# Altium PCB base-board_2.PcbDoc (part 1 of 3)
Units mil, origin at the board's own origin, x right, y up, seen from the top; angles counter-clockwise.
Board outline 3247.64 x 2805.12 mil, 4 copper layers (1 Top Layer, 2 Signal Layer, 3 GND Layer, 4 Bottom Layer), stack 61.811 mil thick; 193 components, 154 nets, 686 pads, 247 vias.
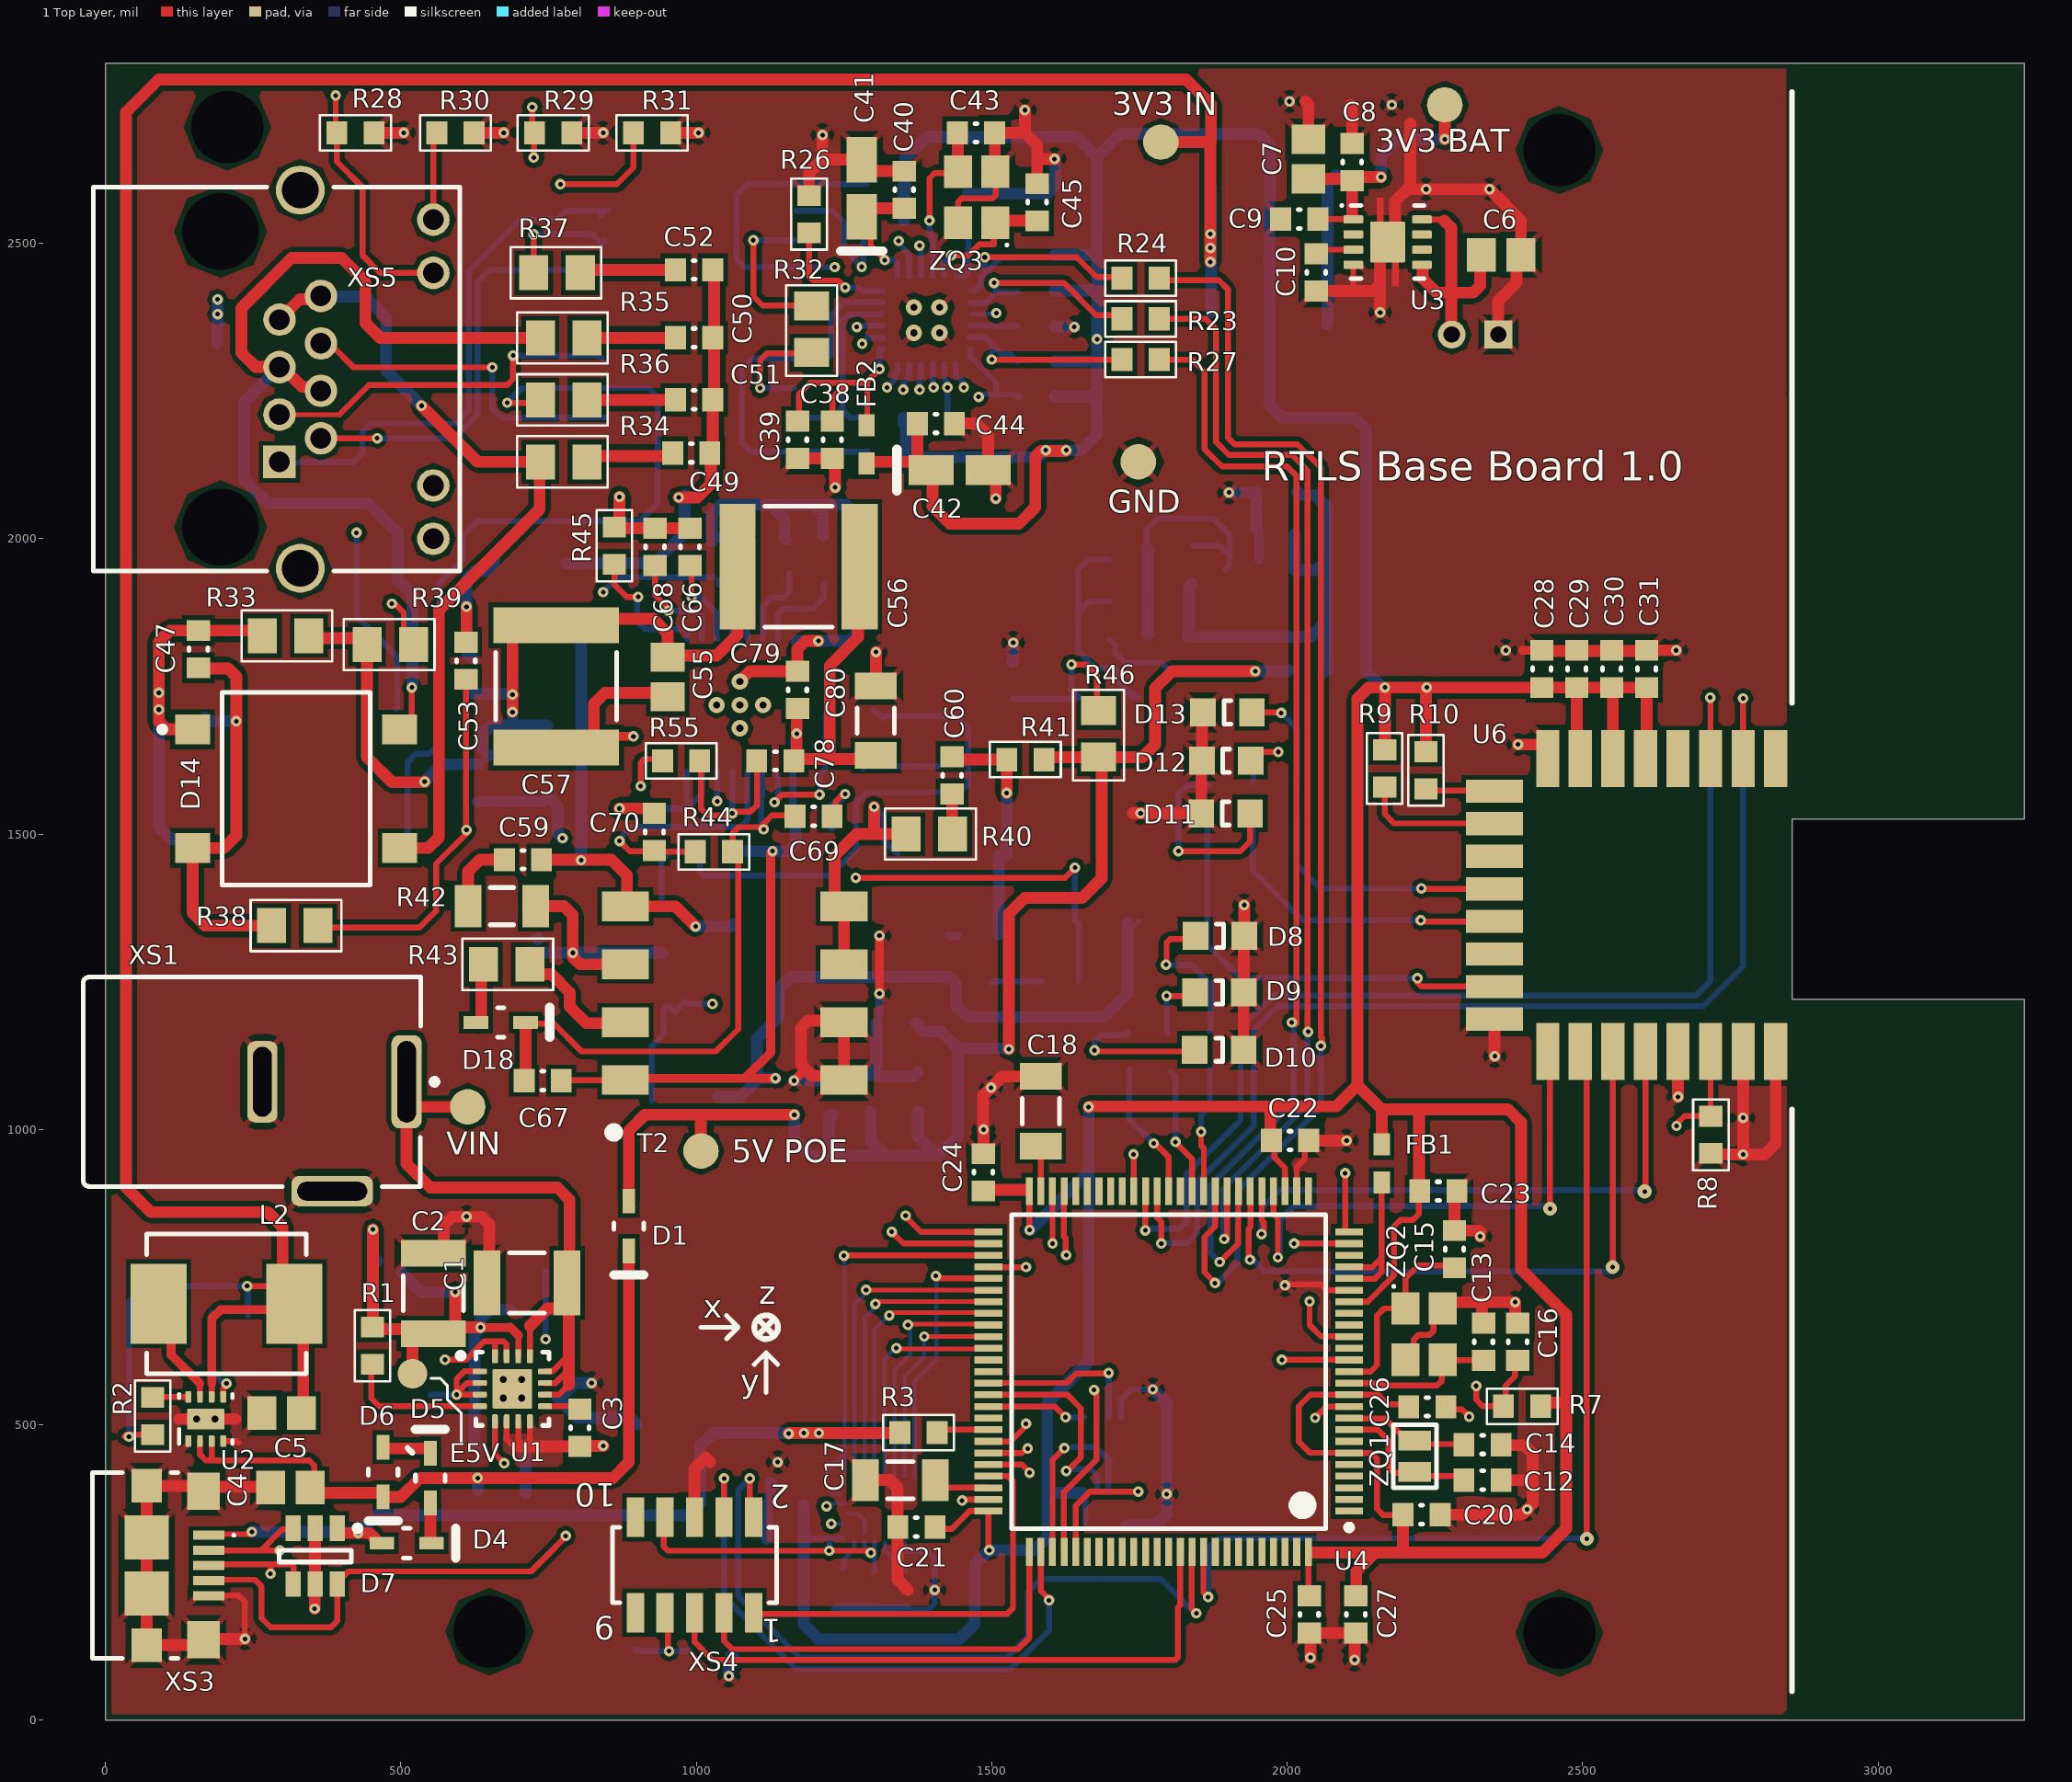
[diagram p0: 1 Top Layer view]
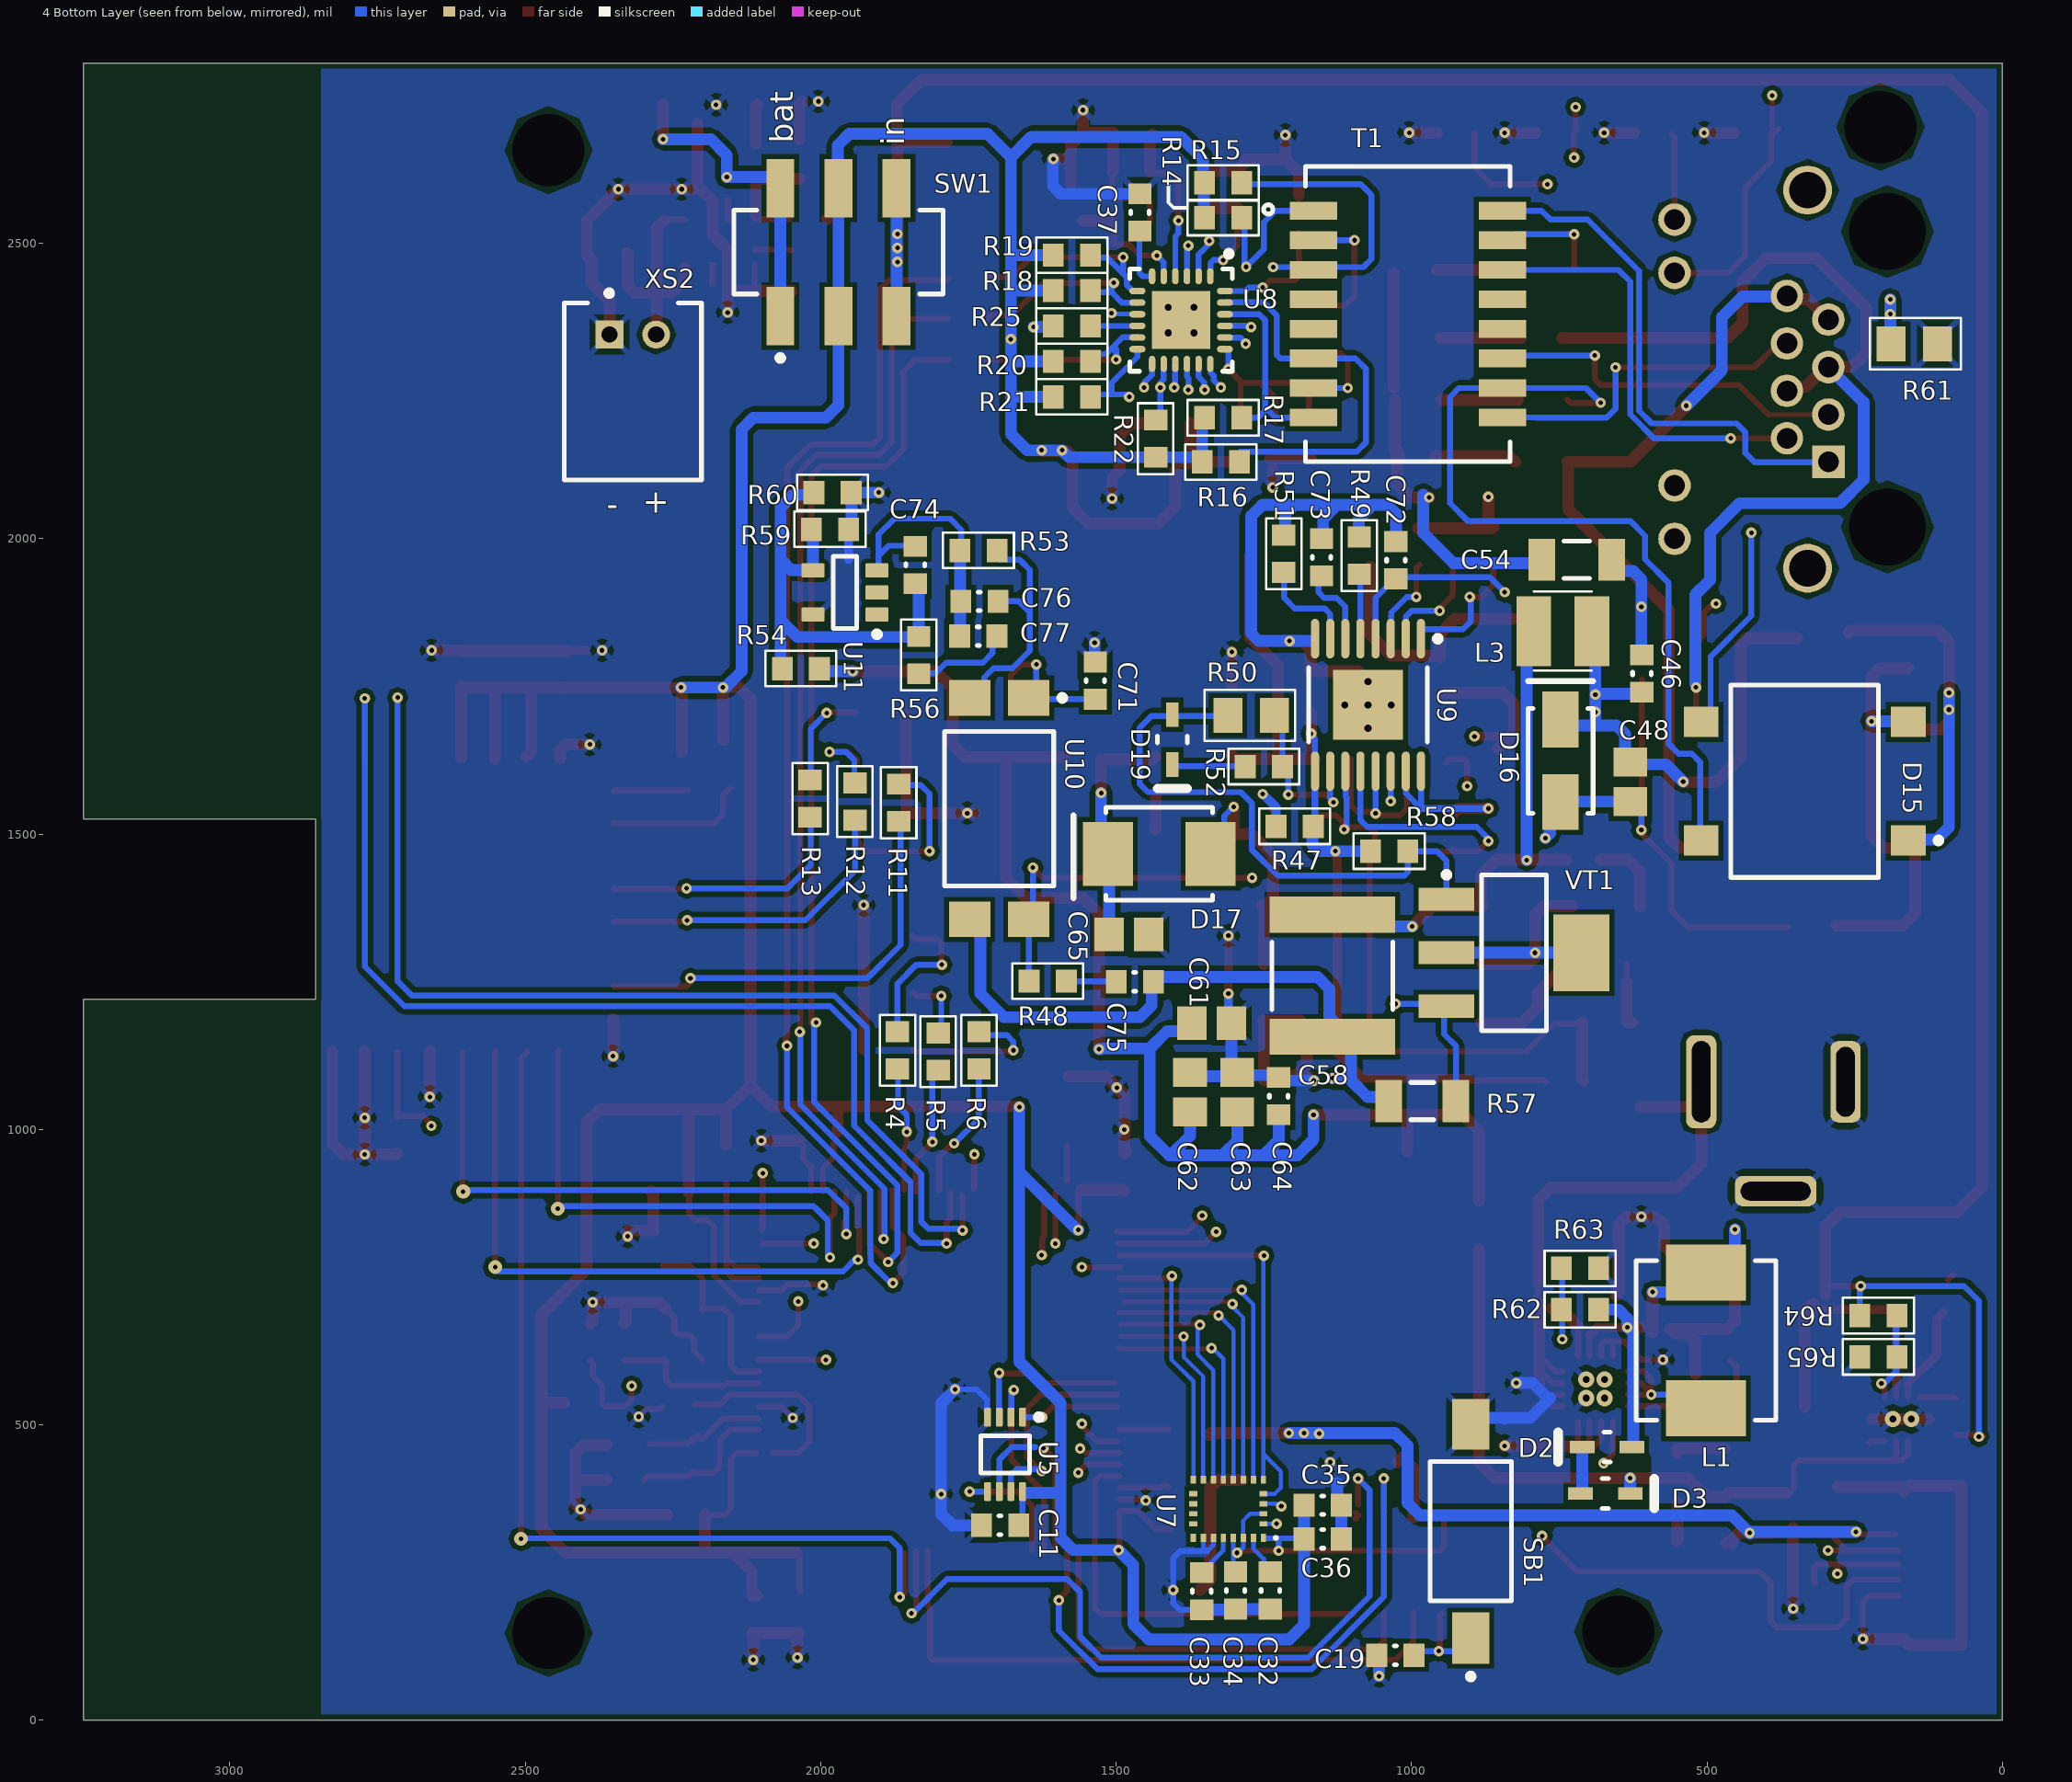
[diagram p1: 4 Bottom Layer view, seen from below]
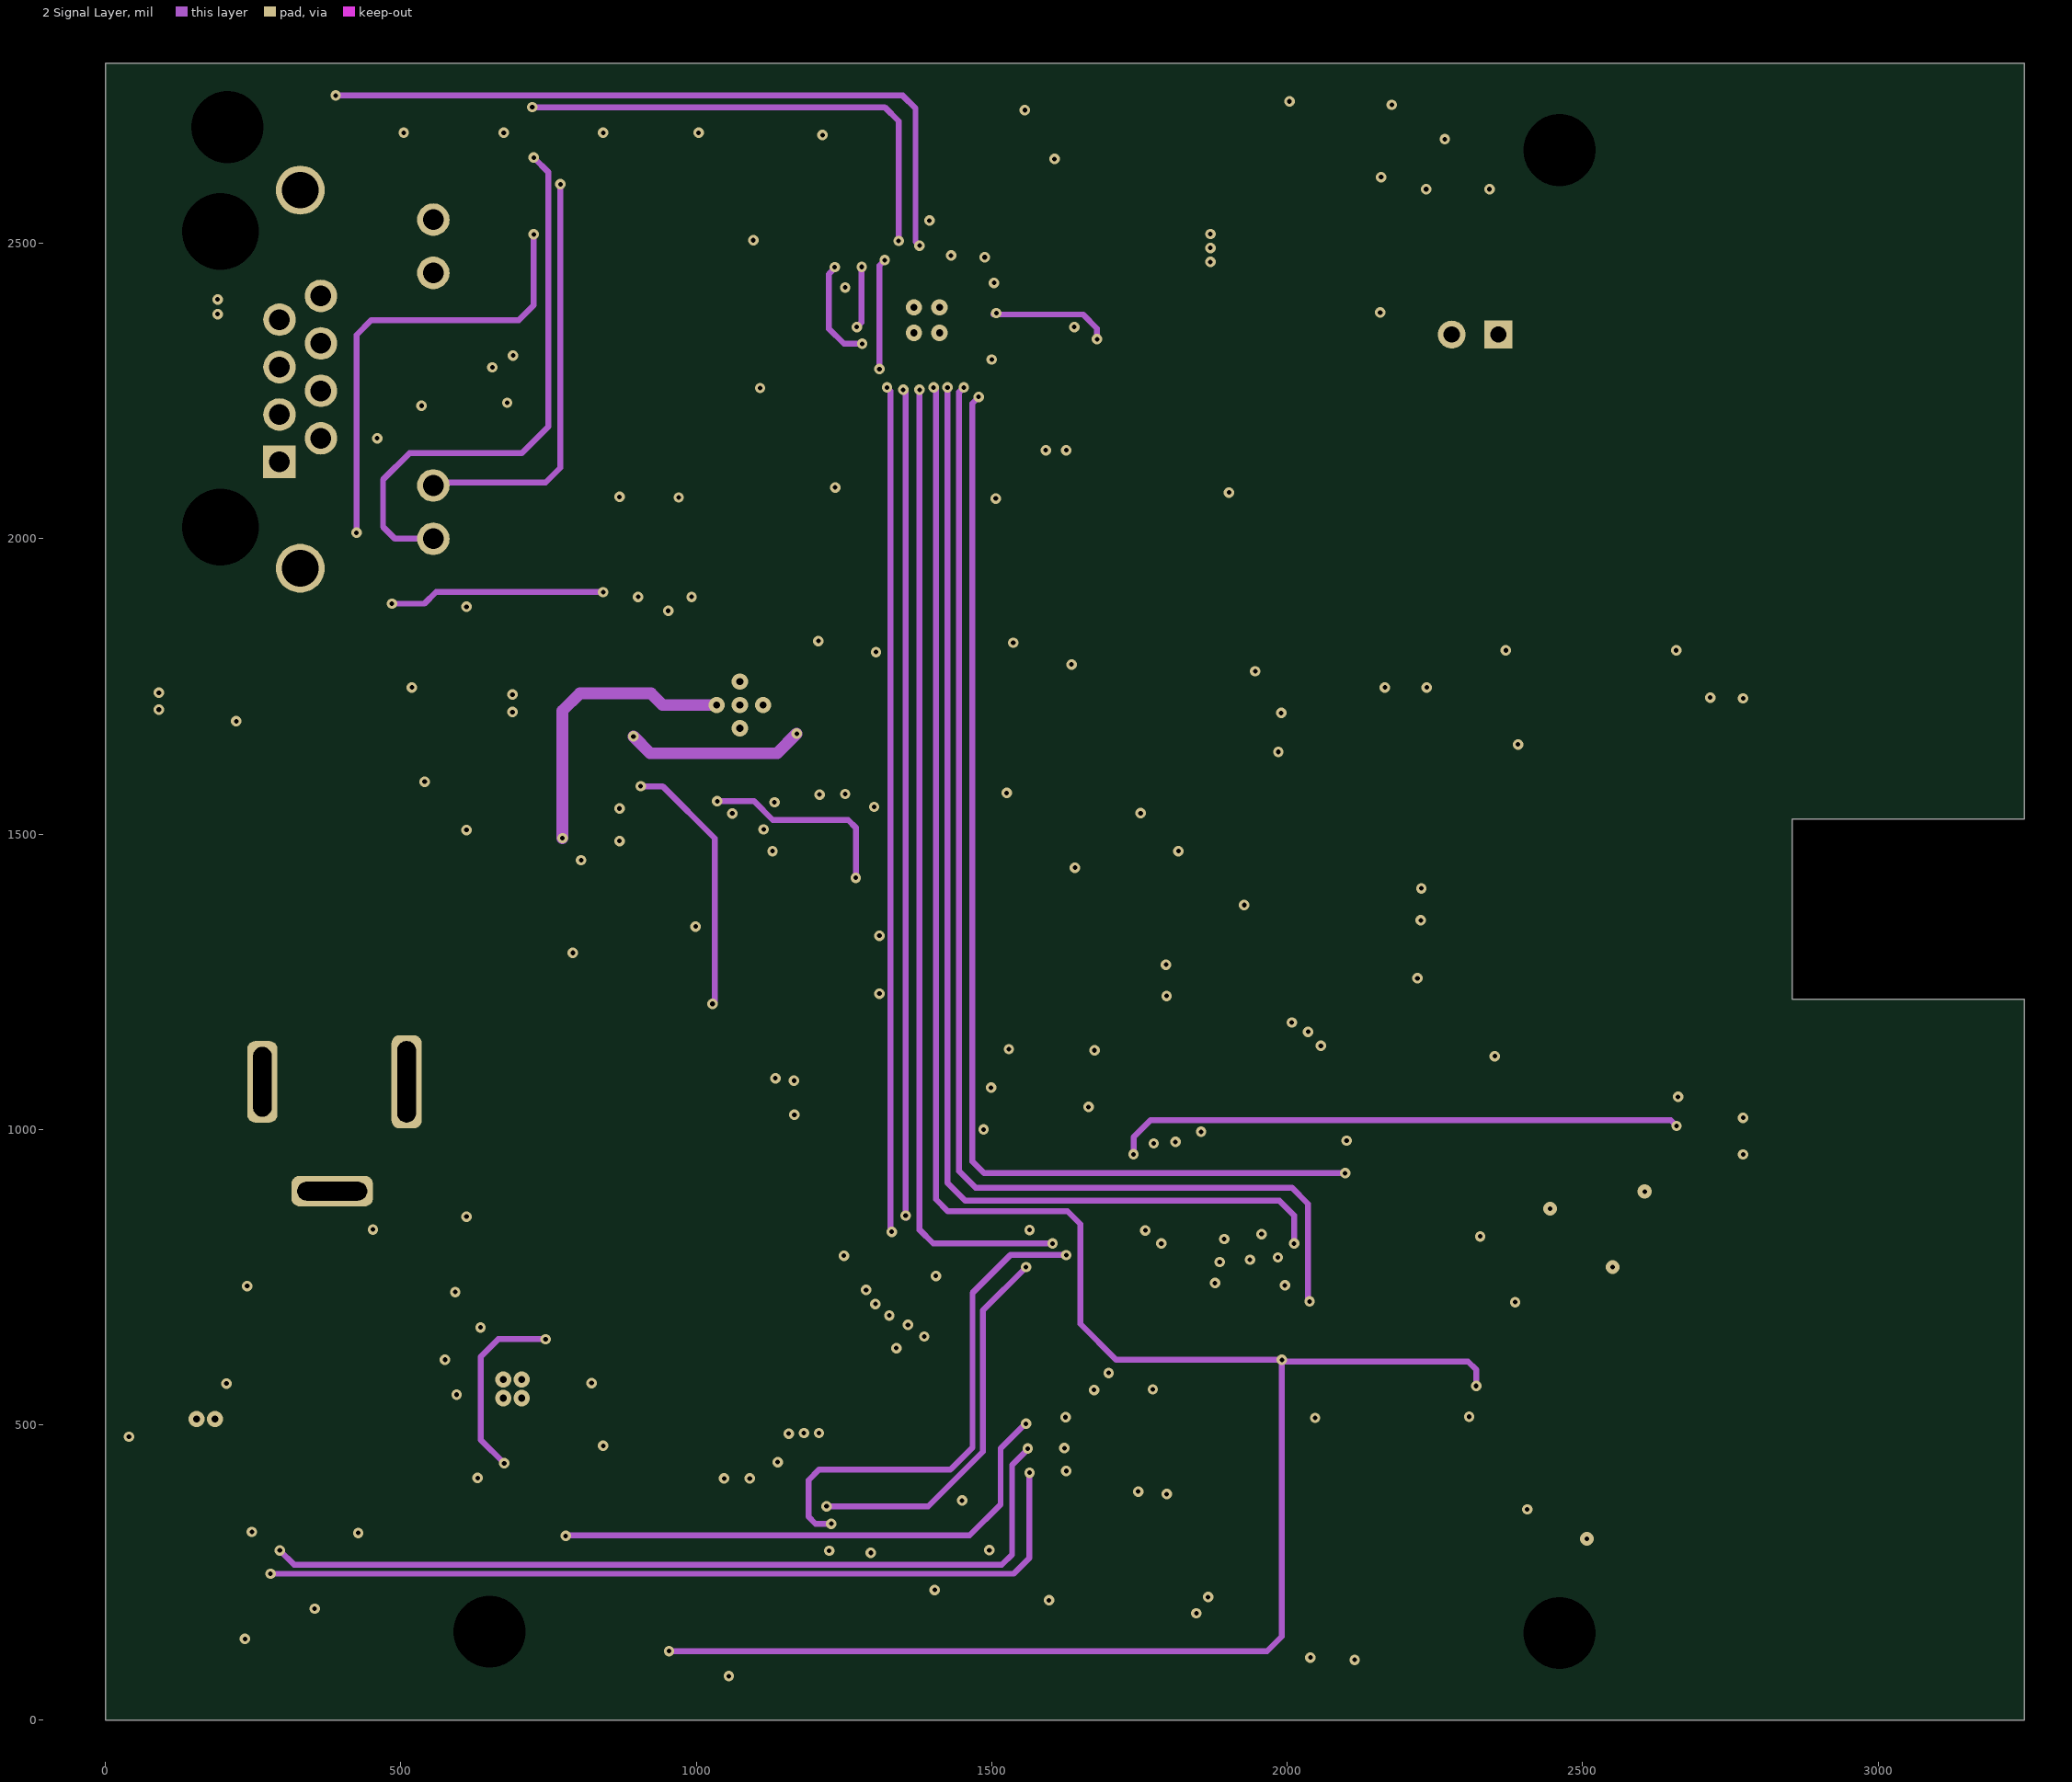
[diagram p2: 2 Signal Layer]
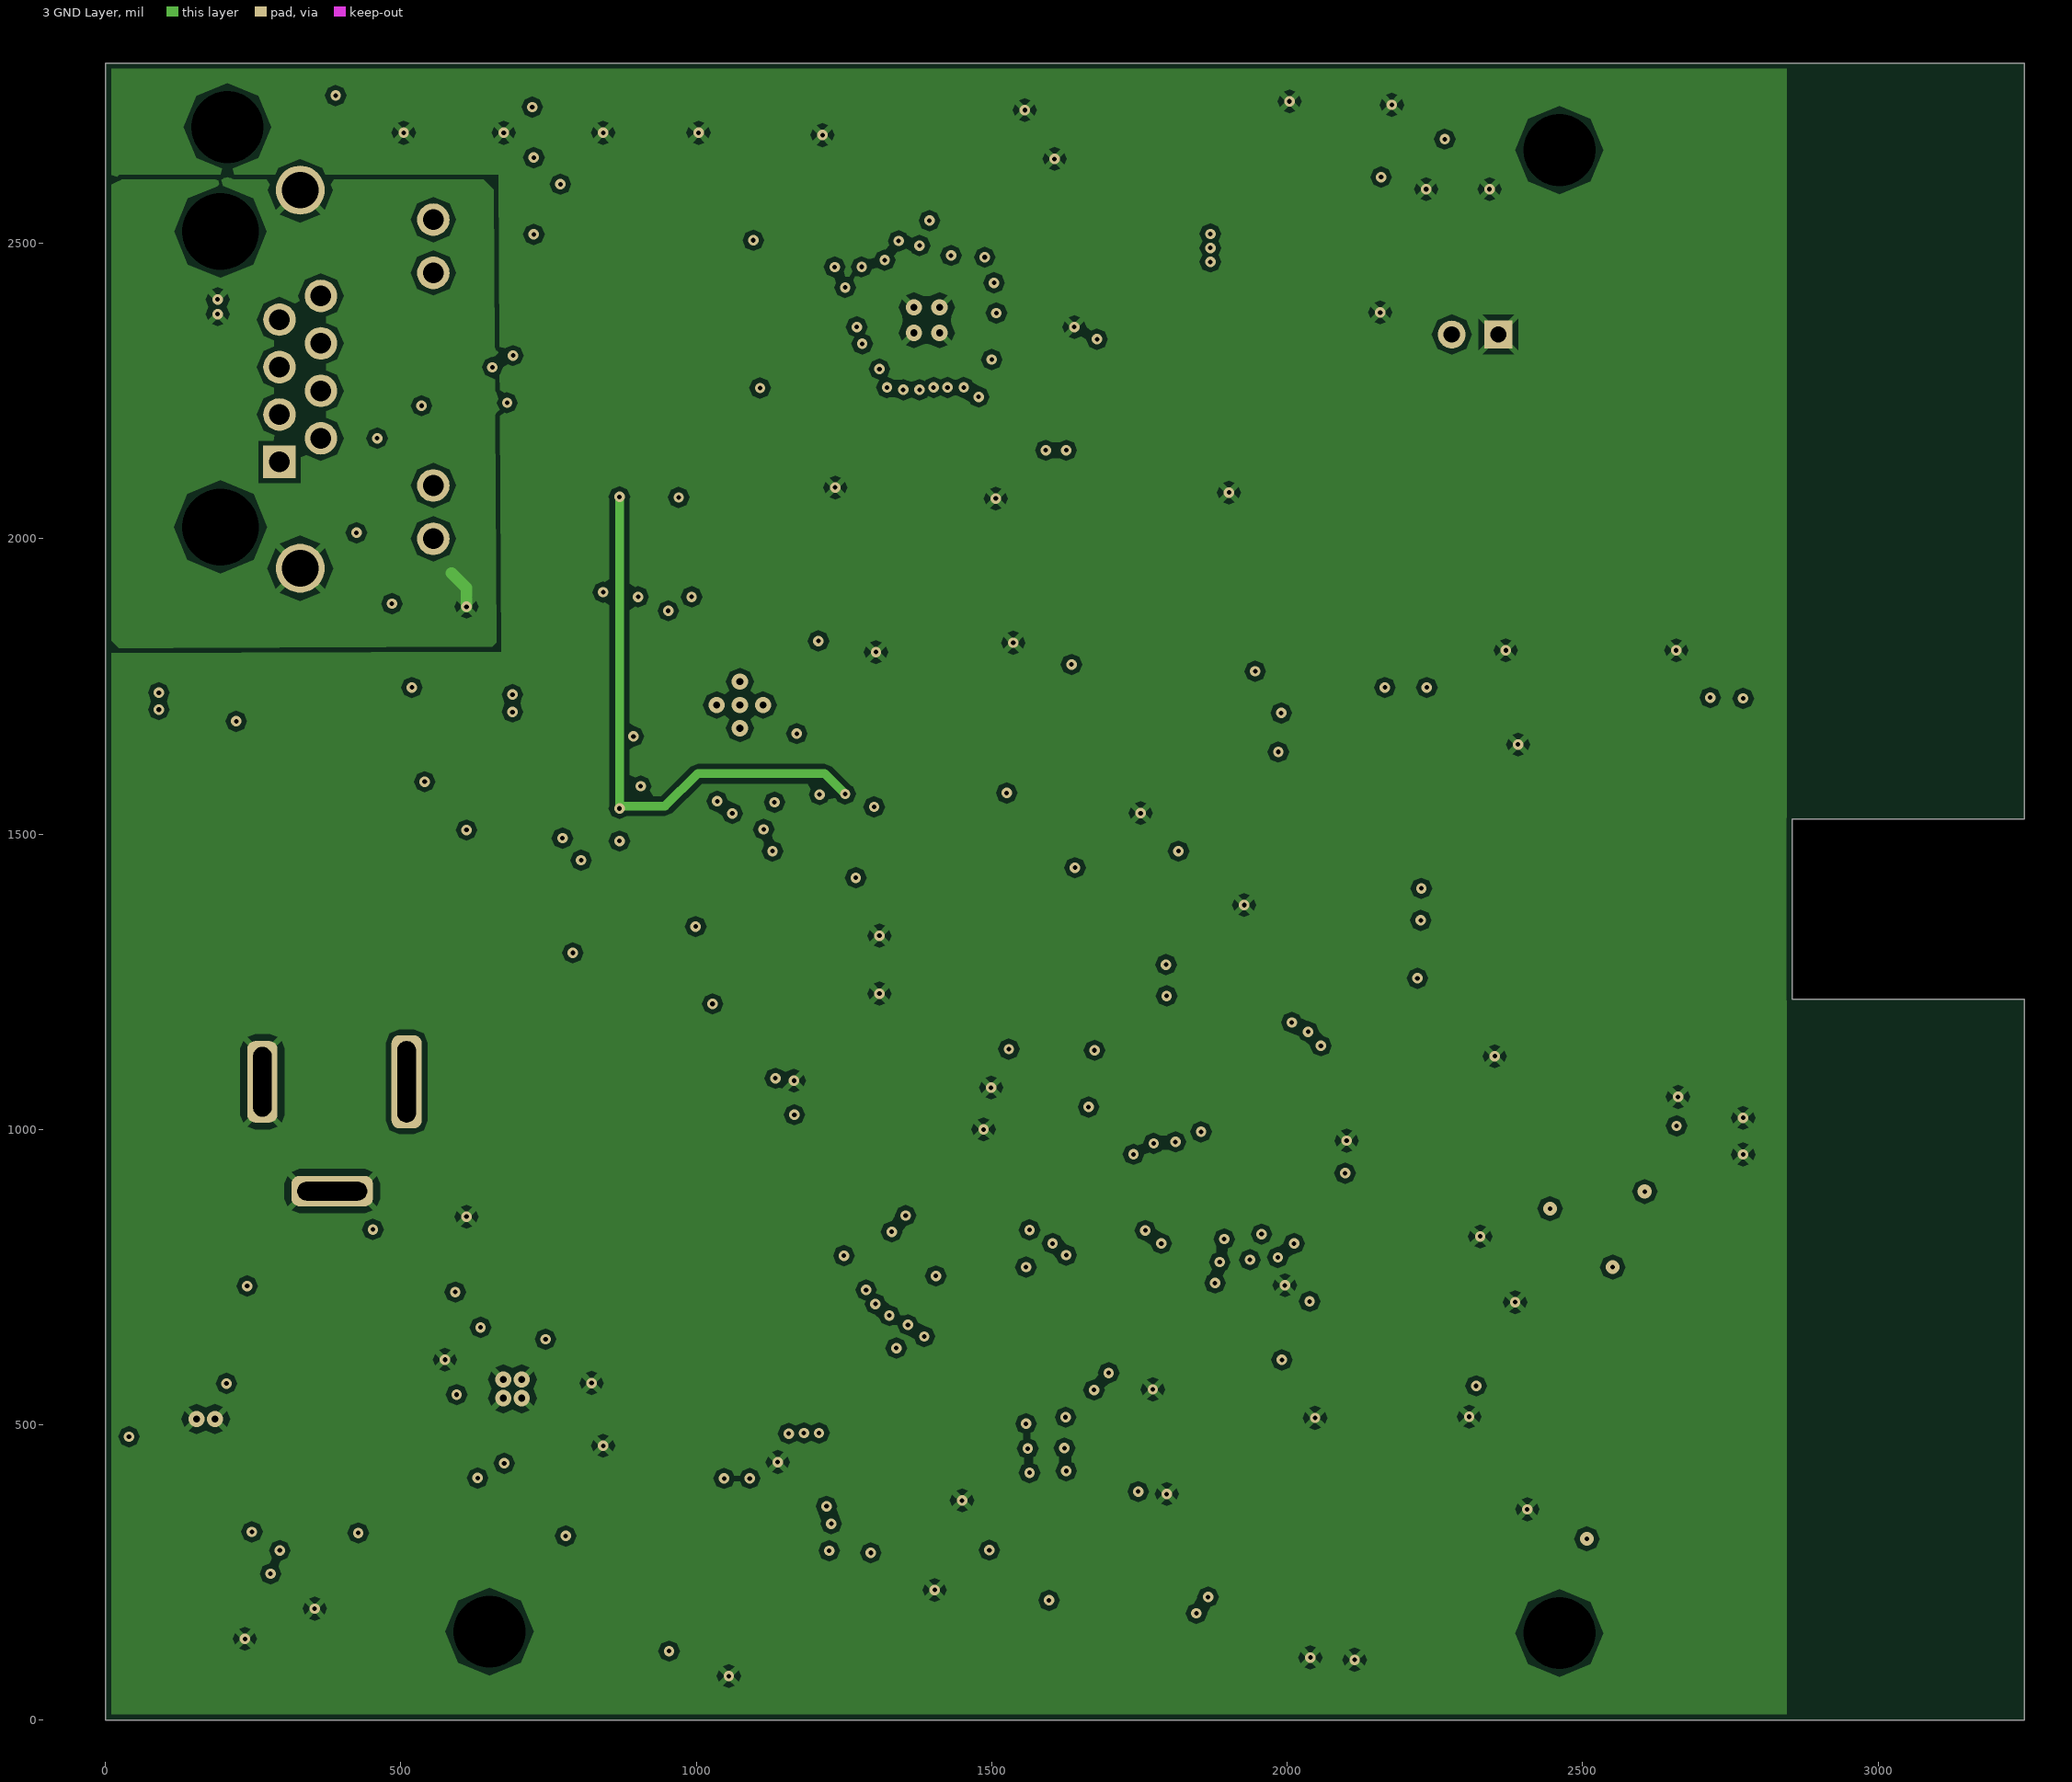
[diagram p3: 3 GND Layer]

## Layer stack, top to bottom
Top Solder: solder mask 0.5906, Solder Resist, Dk 3.8
1 Top Layer: signal copper 1.3779
Dielectric 1: prepreg 3.937, 2313, Dk 4.05
2 Signal Layer: signal copper 0.6889
Dielectric 3: core 49.803, FR-4, Dk 4.2
3 GND Layer: signal copper 0.6889
Dielectric 2: prepreg 3.937, 2313, Dk 4.05
4 Bottom Layer: signal copper 1.3779
Bottom Solder: solder mask 0.591, Solder Resist, Dk 3.8

## Board outline
0.39,0 0.39,2805.12 3248.03,2805.12 3248.03,1525.59 2854.33,1525.59 2854.33,1220.47 3247.64,1220.47 3247.64,0

## Design rules (kind name [scope] priority, off if disabled: settings)
BoardOutlineClearance [All] p1: gap=9.84 ignorepadtopadclearanceinfootprint=FALSE
Clearance "Clearance Bottom Layer" [OnLayer('Bottom Layer')] p1: gap=8 ignorepadtopadclearanceinfootprint=TRUE except(10: Arc-Text Track-Text SMDPad-Text THPad-Text Via-Text Fill-Text Poly-Text Region-Text Text-Text)
Clearance "Clearance Top Layer" [OnLayer('Top Layer')] p2: gap=8 ignorepadtopadclearanceinfootprint=TRUE except(10: Arc-Text Track-Text SMDPad-Text THPad-Text Via-Text Fill-Text Poly-Text Region-Text Text-Text)
Clearance [All] p3: gap=7.87 ignorepadtopadclearanceinfootprint=FALSE except(3.5: Arc-Arc Arc-Track Arc-SMDPad Track-Track Track-SMDPad SMDPad-SMDPad; 5: Arc-Via Track-Via SMDPad-Via THPad-Via Via-Via; 10: Arc-Text Track-Text SMDPad-Text THPad-Text Via-Text Fill-Text Poly-Text Region-Text Text-Text)
ComponentClearance [All] p1: gap=0 collisioncheckmode=3 verticalgap=10 showdistances=FALSE
DiffPairsRouting [All] p1: maxlimit=100 minlimit=3.5 mostfreqgap=5 toplayer_minwidth=3.5 toplayer_maxwidth=20 toplayer_prefwidth=10 midlayer1_minwidth=3.5 midlayer1_maxwidth=20 midlayer1_prefwidth=10 midlayer2_minwidth=3.5 midlayer2_maxwidth=20 midlayer2_prefwidth=10 bottomlayer_minwidth=3.5 bottomlayer_maxwidth=20 bottomlayer_prefwidth=10 maxuncoupledlength=500
HoleSize [All] p1: absolutevalues=TRUE maxlimit=248.03 minlimit=7.87 maxpercent=80.000 minpercent=20.000
HoleToHoleClearance [All] p1: gap=7.87 allowstackedmicrovias=TRUE
MatchedLengths DiffPair_MatchedLengths [InDifferentialPair ('TX')] p1: tolerance=1000 checknetsindiffpair=FALSE checkdiffpairvsdiffpair=TRUE checkxsignals=TRUE checkothers=TRUE
MinimumAnnularRing [All] p1: minimumring=3
MinimumSolderMaskSliver [All] p1: minsoldermaskwidth=0
PolygonConnect [All] p1: connectstyle=Relief reliefconductorwidth=10 reliefentries=4 polygonreliefangle="45 Angle" airgapwidth=10
RoutingVias [All] p1: holewidth=7.87 width=17.72 viastyle="Through Hole" minholewidth=7.87 minwidth=17.72 maxholewidth=19.68 maxwidth=39.37
SilkToSilkClearance [All] p1: silktosilkclearance=0
SilkToSolderMaskClearance [IsPad] p1: minsilkscreentomaskgap=0 clearancetoexposedcopper=TRUE
SolderMaskExpansion [All] p1: expansion=4
Width [All] p1: maxlimit=20 minlimit=3.5 preferedwidth=10
23 further rules are at their usual default settings.

## Classes and differential pairs
component class MCU: C11 C12 C13 C14 C15 C16 C17 C18 C19 C20 C21 C22 C23 C24 C25 C26 C27 D7 D8 D9 D10 FB1 R3 R4 R5 R6 R7 SB1 U4 U5 XS3 XS4 ZQ1 ZQ2
component class base-board_2: C1 C2 C3 C4 C5 C6 C7 C8 C9 C10 D1 D2 D3 D4 D5 D6 L1 L2 R1 R2 R62 R63 R64 R65 SW1 U1 U2 U3 XS1 XS2
component class IMU: C32 C33 C34 C35 C36 U7
component class Ethernet: C37 C38 C39 C40 C41 C42 C43 C44 C45 C46 C47 C48 C49 C50 C51 C52 C53 C54 C55 C56 C57 C58 C59 C60 C61 C62 C63 C64 C65 C66 C67 C68 C69 C70 C71 C72 C73 C74 C75 C76 C77 C78 C79 C80 D14 D15 D16 D17 D18 D19 FB2 L3 R14 R15 R16 R17 R18 R19 R20 R21 R22 R23 R24 R25 R26 R27 R28 R29 R30 R31 R32 R33 R34 R35 R36 R37 R38 R39 R40 R41 R42 R43 R44 R45 R46 R47 R48 R49 R50 R51 R52 R53 R54 R55 R56 R57 R58 R59 R60 R61 T1 T2 T3 U8 U9 U10 U11 VT1 XS5 ZQ3
component class dwm: C28 C29 C30 C31 D11 D12 D13 R8 R9 R10 R11 R12 R13 U6
differential pair USB_D: +USB_D_P -USB_D_N
differential pair RD: +RD_P -RD_N
differential pair RX: +RX_P -RX_N
differential pair TX: +TX_P -TX_N
differential pair TD: +TD_P -TD_N
